# Altium PCB ganhuangguan.PcbDoc
Units mm, origin at the board's own origin, x right, y up, seen from the top; angles counter-clockwise.
Board outline 199.38 x 10.46 mm, 2 copper layers (Top Layer, Bottom Layer); 13 components, 34 nets, 27 pads, 2 vias.
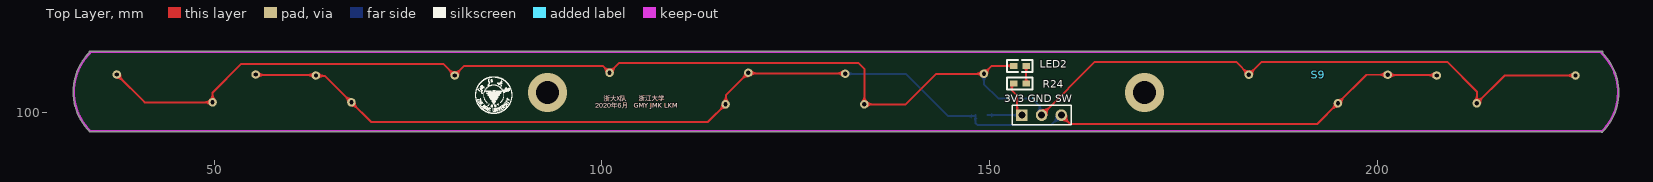
[diagram p0: Top Layer view]
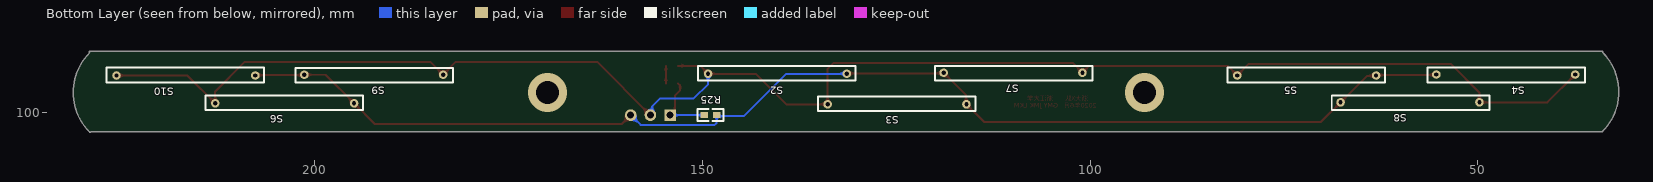
[diagram p1: Bottom Layer view, seen from below]

## Layer stack, top to bottom
Top Solder: solder mask 0.0102, Solder Resist, Dk 3.5
Top Layer: signal copper 0.0356
Dielectric 1: dielectric 0.32, FR-4, Dk 4.8
Bottom Layer: signal copper 0.0356
Bottom Solder: solder mask 0.0102, Solder Resist, Dk 3.5

## Board outline
33.998,97.536 cw(c33.998,97.663) 33.873,97.639 cw(c33.998,97.663) 33.872,97.642 cw(c38.998,102.696) 33.885,107.763 cw(c33.998,107.823) 33.998,107.95 228.998,107.95 cw(c228.998,107.823) 229.125,107.823 cw(c228.998,107.823) 229.063,107.714 cw(c223.981,102.616) 231.179,102.616 cw(c223.981,102.616) 229.071,97.526 cw(c228.981,97.616) 228.981,97.489 cw(c228.981,97.616) 228.882,97.536

## Design rules (kind name [scope] priority, off if disabled: settings)
Clearance [All] p1: gap=0.254 ignorepadtopadclearanceinfootprint=FALSE except(0: Arc-Hole Track-Hole SMDPad-Hole THPad-Hole Via-Hole Fill-Hole Poly-Hole Region-Hole Text-Hole)
PolygonConnect [All] p1: connectstyle=Relief reliefconductorwidth=0.254 reliefentries=4 polygonreliefangle="90 Angle" airgapwidth=0.254
RoutingVias [All] p1: holewidth=0.711 width=1.27 viastyle="Through Hole" minholewidth=0.711 minwidth=1.27 maxholewidth=0.711 maxwidth=1.27
SolderMaskExpansion [All] p1: expansion=0.102
Width [All] p1: maxlimit=0.254 minlimit=0.254 preferedwidth=0.254
30 further rules are at their usual default settings.

## Classes and differential pairs
component class Ganhuangguan: LED2 R24 R25 S2 S3 S4 S5 S6 S7 S8 S9

## Components (designator, comment, footprint, x,y, rotation, side; value= is the part's Value field where it differs from the comment)
"3V3 GND SW" "Comment" HDR1X3 154.178,99.695 r0 top
LED2 "0" 0603C 153.924,106.045 r180 top
R24 "Res2" 0603R 153.924,103.759 r180 top value=2.2k
R25 "Res2" 0603C 148.971,99.695 r0 bottom value=10k
S2 "SW-SPST" SW_REED 149.286,105.029 r180 bottom
S3 "SW-SPST" SW_REED 133.858,101.092 r180 bottom
S4 "SW-SPST" SW_REED 37.433,104.934 r0 bottom
S5 "SW-SPST" SW_REED 81.026,104.807 r180 bottom
S6 "SW-SPST" SW_REED 212.852,101.219 r180 bottom
S7 "SW-SPST" SW_REED 100.989,105.156 r0 bottom
S8 "SW-SPST" SW_REED 49.784,101.346 r0 bottom
S9 "SW-SPST" SW_REED 183.452,104.902 r0 top
S10 "SW-SPST" SW_REED 225.584,104.807 r180 bottom (schematic designator S6)

## Footprints (in the part's own frame and the unit in brackets; to place one, negate y for a bottom-side part, rotate by r counter-clockwise, add the part's x,y. Pads: shape width x height; smd on the part's side, far side on the other; paste and mask are expansions set on the pad)
0603C [mil]
  rect 37.5x31 smd: 1(-31.25,0) 2(31.25,0)
  silkscreen extent -65,-30 65,30
0603R [mil]
  rect 37.5x31 smd: 1(-31.25,0) 2(31.25,0)
  silkscreen extent -65,-30 65,30
HDR1X3 [mm] "Connector; Header; 3 Position"
  rect 1.5x1.5 hole 0.9: 1(0,0)
  round 1.5 hole 0.9: 2(2.54,0) 3(5.08,0)
  silkscreen extent -1.27,-1.27 6.35,1.27
SW_REED [mm]
  round 1.1 hole 0.55: 1(0,0) 2(17.907,0)
  silkscreen extent -1.27,-0.89 19.05,1.02

## Part data
LED2: library part LED2, "Typical RED, GREEN, YELLOW, AMBER GaAs LED", LatestRevisionDate=17-Jul-2002, LatestRevisionNote="Re-released for DXP Platform.", PackageDescription="SM LED; 2 Flat Leads", PackageReference=3.2X1.6X1.1, PackageVersion=Feb-2002, Published=8-Jun-2000, Publisher="Altium Limited"
R24 R25: "Resistor", LatestRevisionDate=17-Jul-2002, LatestRevisionNote="Re-released for DXP Platform.", PackageDescription="Axial Device, Thru-Hole; 2 Leads; 0.4 in Pin Spacing", PackageReference=AXIAL-0.4, Published=8-Jun-2000, Publisher="Altium Limited"
S2 S3 S4 S5 S6 S7 S8 S9 S10: "Single-Pole, Single-Throw Switch", LatestRevisionDate=17-Jul-2002, LatestRevisionNote="Re-released for DXP Platform.", PackageDescription="Switch; 2 Leads", PackageReference=SPST-2, Published=24-Mar-1999, Publisher="Altium Limited"

## Via types
v1: diameter 5, hole 3, Top Layer to Bottom Layer, tented both sides, 2 vias

## Nets (pads, with @x,y where several pads share a name; then routed paths per layer and width w, separated by ;. In a path a pad name is that pad's centre, name@x,y a point inside that pad or via, vN(x,y) a via of type N, cw(c..) or ccw(c..) an arc to the next point about the centre after c; other vN are vias at no path point)
A3V3: "3V3 GND SW.1" R24.2 R25.2 | length 9.1
  Top Layer w0.254: R24.2 152.886,103.515 152.886,102.892 153.555,102.223 153.555,100.318 154.178,99.695
  Bottom Layer w0.254: R25.2 154.178,99.695
AGND: "3V3 GND SW.2" LED2.2 S2.1 S3.1 S4.1 S5.1 S6.1 S7.1 S8.1 S9.1 S10.1 | length 217.5
  Top Layer w0.254: S4.1 41.021,101.346 S8.1 49.784,102.616 53.467,106.299 79.534,106.299 S5.1 82.264,106.045 100.1,106.045 S7.1 102.259,106.426 133.096,106.426 133.858,105.664 S3.1 139.192,101.092 143.129,105.029 S2.1 150.302,106.045 LED2.2 ; 156.718,99.695 163.576,106.553 181.801,106.553 S9.1 185.103,106.553 209.042,106.553 212.852,102.743 S6.1 216.44,104.807 S10.1
  Bottom Layer w0.254: S2.1 149.286,103.698 151.13,101.854 155.448,101.854 156.48,100.822 156.48,99.933 156.718,99.695
IN1: 
IN2: 
IN3: 
IN4: 
IN5: 
NetC1_1: 
NetC1_2: 
NetC3_1: 
NetC3_2: 
NetC5_1: 
NetC5_2: 
NetC7_1: 
NetC7_2: 
NetLED1_1: 
NetLED2_1: LED2.1 R24.1 | length 2.3
  Top Layer w0.254: R24.1 LED2.1
NetR1_2: 
NetR2_2: 
NetR3_2: 
NetR4_1: 
NetR7_2: 
NetR8_1: 
NetR11_2: 
NetR12_2: 
NetR13_2: 
NetR14_1: 
NetR17_2: 
NetR18_1: 
OUT1: 
OUT2: 
OUT3: 
OUT4: 
SW1: "3V3 GND SW.3" R25.1 S2.2 S3.2 S4.2 S5.2 S6.2 S7.2 S8.2 S9.2 S10.2 | length 165.3
  Top Layer w0.254: S4.2 55.404,104.87 63.056,104.87 S5.2 63.168,104.758 64.279,104.758 S8.2 70.231,98.806 113.665,98.806 S3.2 115.992,101.133 115.992,102.252 S7.2 118.959,105.092 131.316,105.092 S2.2 ; 159.258,99.695 160.401,98.552 192.278,98.552 S6.2 198.628,104.902 S9.2 201.406,104.854 207.629,104.854 S10.2
  Bottom Layer w0.254: S2.2 139.192,105.029 144.653,99.568 148.05,99.568 R25.1 148.177,98.679 148.431,98.425 157.988,98.425 159.258,99.695
copper on no net:
  other v1: 92.998,102.616 169.998,102.616

## Keep-outs
Top Layer:
  lines w0.254: 33.998,97.663 228.998,97.663 ; 33.998,97.696 cw(c38.998,102.696) 33.998,107.696 ; 33.998,107.823 228.998,107.823 ; 228.813,107.779 cw(c223.981,102.616) 228.981,97.616

## Other copper
Top Layer:
  text "浙大X队" at 100.274,101.371 h1.02
  text "浙江大学" at 104.733,101.371 h1.02
  text "2020年6月" at 99.145,100.482 h1.02
  text "GMY JMK LKM" at 104.098,100.482 h1.02

## Silkscreen, mask and mechanical layers (free items; w line width, h text height)
Top Overlay:
  drawing of 1340 lines, arcs and shapes, not listed
  text "浙大X队" at 100.274,101.371 h1.02
  text "浙江大学" at 104.733,101.371 h1.02
  text "2020年6月" at 99.145,100.482 h1.02
  text "GMY JMK LKM" at 104.098,100.482 h1.02
Mechanical 1:
  lines w0.254: 33.998,97.616 228.981,97.616 ccw(c223.981,102.616) 228.813,107.779 ; 33.998,97.696 cw(c38.998,102.696) 34.08,107.777 ; 33.998,107.823 228.998,107.823